# Altium PCB shepherd_pcb_v2.2.PcbDoc (part 3 of 3) (continued)
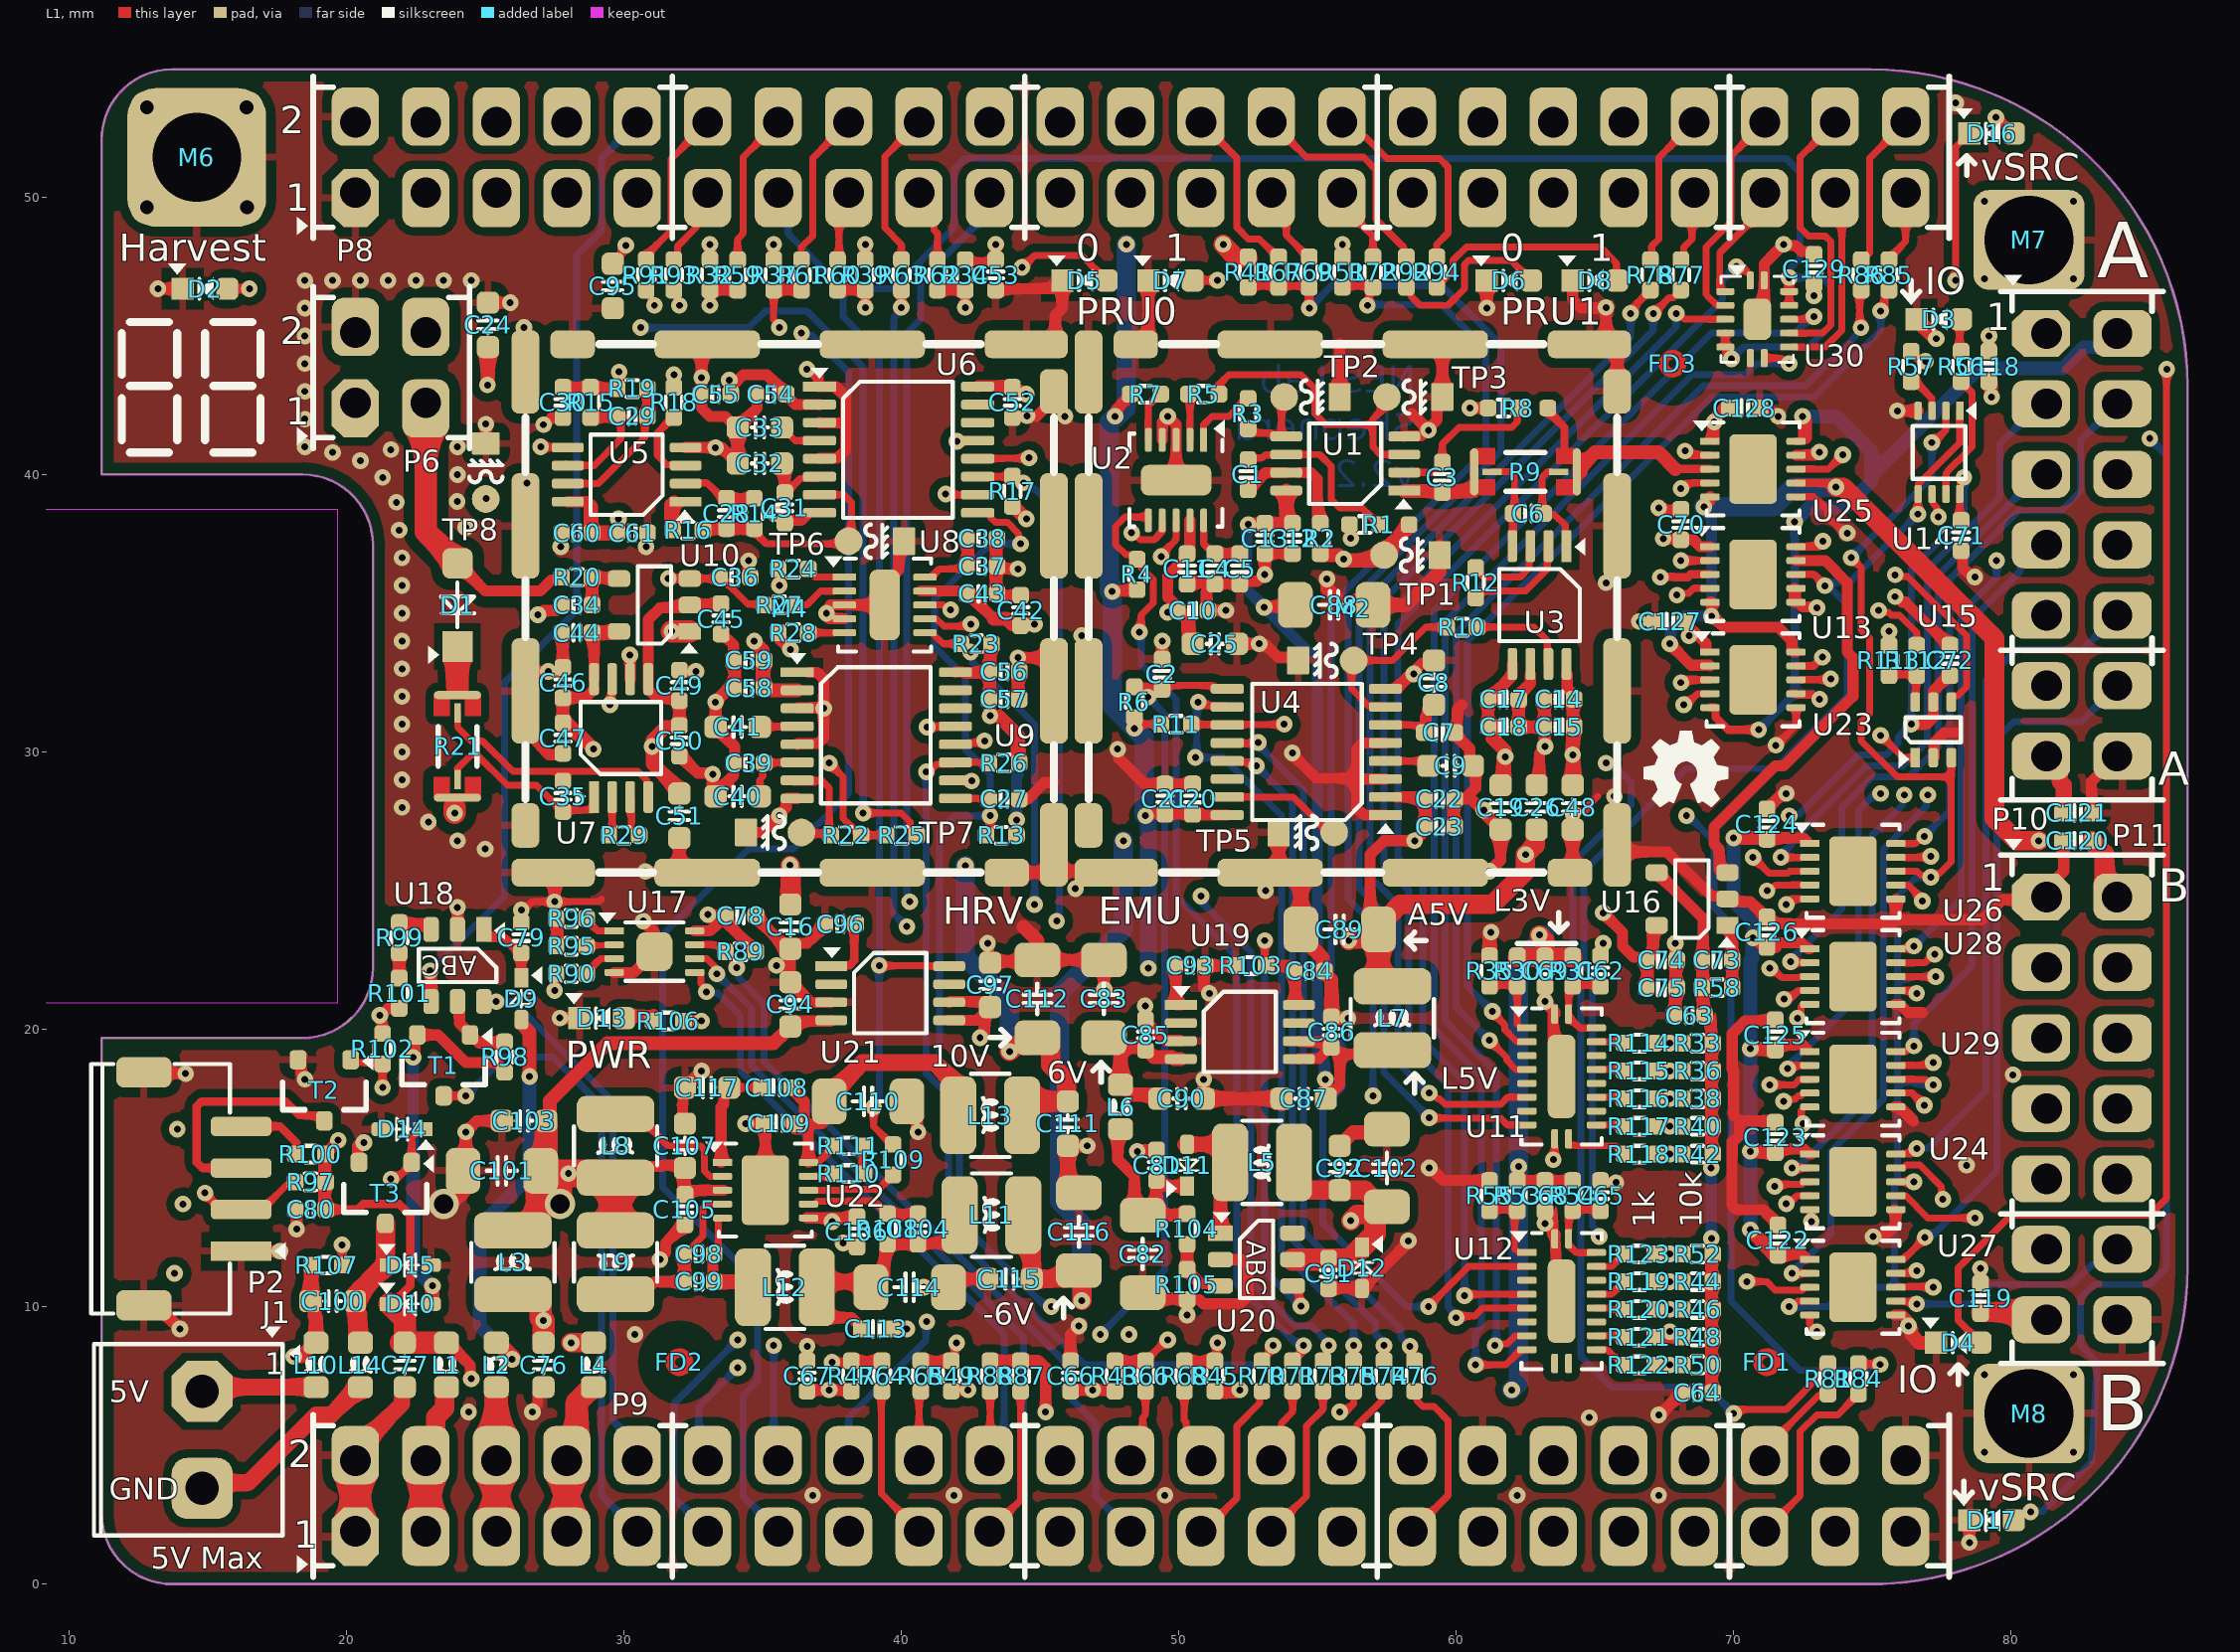
[diagram p0: L1 view]
## Nets (pads, with @x,y where several pads share a name; then routed paths per layer and width w, separated by ;. In a path a pad name is that pad's centre, name@x,y a point inside that pad or via, vN(x,y) a via of type N, cw(c..) or ccw(c..) an arc to the next point about the centre after c; other vN are vias at no path point) (continued)
SA_GPIO2: R37.1 R61.2 R77.1 U11.7 | length 73.1
  L1 w0.25: R37.1@35.4,46.7 35.4,45.595 35.6,45.395 v1(35.6,45.3) ; v1(59.025,17.7) 59.12,17.7 59.324,17.496 59.404,17.496 59.6,17.3 61.6,17.3 61.85,17.55 U11.7@62.55,17.55 ; v1(67.1,45.8) 67.686,46.386 67.822,46.386 68.086,46.65 R77.1@68.1,46.65
  L1 w0.4: R37.1@35.4,46.7 R61.2@36.4,46.7
  L3 w0.25: v1(35.6,45.3) 36,45.7 36.8,45.7 37.5,45 66.3,45 v1(67.1,45.8)
  L4 w0.25: v1(59.025,17.7) 59,17.7 57.9,18.8 57.9,24.5 56.9,25.5 56.9,35 67.1,45.2 v1(67.1,45.8)
SA_GPIO3: R39.1 R60.1 R78.1 U11.9 | length 68.7
  L1 w0.25: v1(38.7,46.025) R39.1@38.7,46.7 ; v1(59.025,16.813) 59.038,16.8 61.6,16.8 61.85,16.55 U11.9@62.55,16.55 ; v1(66.287,45.813) 66.354,45.88 66.354,46.004 R78.1@67.007,46.657
  L1 w0.4: R60.1@37.7,46.7 R39.1@38.7,46.7
  L3 w0.25: v1(38.7,46.025) 38.7,46 39.3,45.4 65.779,45.4 66.192,45.813 v1(66.287,45.813) 66.315,45.841 v1@66.381,45.841
  L4 w0.25: v1(59.025,16.813) 57.4,18.438 57.4,24.2 56.5,25.1 56.5,35.169 66.287,44.955 v1(66.287,45.813)
SA_GPIO4: R41.1 R67.2 R69.1 U11.10 | length 49.2
  L1 w0.25: R41.1@52.5,46.8 53.6,46.8 54.7,46.8 v1(54.7,46) ; v1(63.5,15.3) 63.55,15.35 U11.10@63.55,16.05 U11.10@63.55,16.1
  L3 w0.25: v1(57,17.6) 57,17.505 58.405,16.1 62.7,16.1 v1(63.5,15.3)
  L4 w0.25: v1(54.7,46) 55.5,46.8 59.5,46.8 61.6,44.7 61.6,40.834 56.1,35.334 56.1,24.7 57,23.8 v1(57,17.6)
SA_SWD_CLK: R47.1 R64.1 U12.8 U30.8 | length 72.8
  L1 w0.25: v1(37.5,8) R47.1@38.2,8 ; v1(61.4,8.6) 61.467,8.667 61.837,8.667 62.12,8.95 U12.8@62.55,8.95 ; U30.8@71.1,44.2 71.705,44.2 71.905,44 v1(72,44)
  L1 w0.4: R47.1@38.2,8 R64.1@39.3,8
  L3 w0.25: v1(37.5,8) 40.4,8 41.7,9.3 42.2,9.3 43.375,8.125 51.925,8.125 53,9.2 58.7,9.2 59.3,8.6 v1(61.4,8.6)
  L4 w0.25: v1(61.4,8.6) 61.454,8.654 61.454,18.446 59.6,20.3 59.6,34.7 68.5,43.6 70.4,43.6 70.8,44 v1(72,44)
SA_SWD_IO: R49.1 R65.2 U12.9 U30.11 | length 70.2
  L1 w0.25: R49.1@41.8,8 41.926,8.126 41.926,8.626 v1(41.993,8.693) ; v1(60.7,7.9) 61.788,7.9 62.25,8.362 62.25,8.375 62.325,8.45 U12.9@62.6,8.45 ; U30.11@72,45.6 72.705,45.6 72.805,45.7 v1(72.9,45.7)
  L1 w0.4: R65.2@40.7,8 R49.1@41.8,8
  L3 w0.25: v1(41.993,8.693) 42.987,7.7 52.466,7.7 52.666,7.9 v1(60.7,7.9)
  L4 w0.25: v1(60.7,7.9) 60.7,9.087 60.9,9.287 60.9,18.3 59.2,20 59.2,35.1 69.2,45.1 72.205,45.1 72.805,45.7 v1(72.9,45.7)
SA_UARX: R45.1 R68.2 U12.6 U30.4 | length 58
  L1 w0.25: R45.1@51.35,8.1 51.35,8.65 v1(51.4,8.7) ; v1(60,9.6) 60.067,9.667 60.667,9.667 60.95,9.95 U12.6@62.6,9.95 ; v1(67.929,45.811) 68.024,45.811 68.161,45.673 68.225,45.609 cw(c68,44) 68.284,45.6 U30.4@69.7,45.6
  L1 w0.4: R68.2@50.2,8 R45.1@51.3,8
  L3 w0.25: v1(51.4,8.7) 53.3,10.6 59.4,10.6 59.579,10.421 59.579,10.115 60,9.695 v1(60,9.6)
  L4 w0.25: v1(60,9.6) 60,9.695 59.7,9.995 59.7,18 58.3,19.4 58.3,25 57.4,25.9 57.4,34.8 67.929,45.329 v1(67.929,45.811)
SA_UATX: R43.1 R66.2 U12.5 U30.1 | length 60.3
  L1 w0.25: R66.2@48.8,7.9 48.8,8.036 49.564,8.8 v1(49.6,8.8) ; v1(60.3,10.4) 60.35,10.45 U12.5@62.55,10.45 ; v1(70.1,47.5) 70.167,47.433 70.367,47.433 U30.1@70.6,47.2
  L1 w0.4: R43.1@47.7,8 R66.2@48.8,8
  L3 w0.25: v1(49.6,8.8) 49.633,8.767 50.567,8.767 52.8,11 59.769,11 60.3,10.469 v1(60.3,10.4)
  L4 w0.25: v1(60.3,10.4) 60.3,18.1 58.8,19.6 58.8,25.3 57.9,26.2 57.9,34.6 69.6,46.3 69.6,47 v1(70.1,47.5)
SB_BAT_OK_6: R123.1 U12.18 | length 1.2
  L1 w0.25: U12.18@65.05,11.45 65.6,11.45 R123.1@66.05,11.9
SB_GPIO0_6: R114.1 U11.18 | length 1
  L1 w0.25: U11.18@65.05,19.55 66,19.55 R114.1@66.05,19.5
SB_GPIO1_6: R115.1 U11.16 | length 1
  L1 w0.25: U11.16@65.05,18.55 66,18.55 R115.1@66.05,18.5
SB_GPIO2_6: R116.1 U11.14 | length 1
  L1 w0.25: U11.14@65.05,17.55 66,17.55 R116.1@66.05,17.5
SB_GPIO3_6: R117.1 U11.12 | length 1
  L1 w0.25: U11.12@65.05,16.55 66,16.55 R117.1@66.05,16.5
SB_GPIO4_6: R118.1 U11.11 | length 2.4
  L1 w0.25: U11.11@64.05,16.05 64.05,15.825 64.275,15.825 64.3,15.8 65.736,15.8 66.036,15.5 R118.1@66.05,15.5
SB_SWD_CLK_6: R121.1 U12.13 | length 1
  L1 w0.25: U12.13@65.05,8.95 66,8.95 R121.1@66.05,8.9
SB_SWD_IO_6: R122.1 U12.12 | length 1.2
  L1 w0.25: U12.12@65.05,8.45 65.45,8.45 65.7,8.2 65.736,8.2 66.036,7.9 R122.1@66.05,7.9
SB_UARX_6: R120.1 U12.15 | length 1
  L1 w0.25: U12.15@65.05,9.95 65.55,9.95 65.6,9.9 R120.1@66.05,9.9
SB_UATX_6: R119.1 U12.16 | length 1.2
  L1 w0.25: U12.16@65.05,10.45 65.6,10.45 R119.1@66.05,10.9
SCK: R76.2 U2.7 U4.12 U6.12 U8.7 U9.12 | length 60.6
  L1 w0.25: U8.7@40.85,34.8 41.258,34.8 41.531,34.527 42.324,34.527 42.41,34.614 v1(42.505,34.614) ; U9.12@41.95,30.275 42,30.325 42.83,30.325 42.905,30.4 v1(43,30.4) ; U6.12@42.75,40.575 42.763,40.587 44.587,40.587 v1(44.6,40.6) ; v1(48.3,37.9) 48.371,37.9 48.621,37.65 49.115,37.65 49.4,37.935 U2.7@49.4,38.35 ; U4.12@51.75,30.325 51.775,30.3 52.825,30.3 v1(52.862,30.338) ; v1(58.333,8.567) 58.4,8.5 58.4,8 R76.2@58.5,7.9
  L3 w0.25: v1@42.5,34.6 42.505,34.605 42.505,36.823 42.283,37.046 42.283,39.183 43.7,40.6 v1(44.6,40.6) 45.6,40.6 v1(48.3,37.9) ; v1(42.505,34.614) 42.476,34.614 41.925,34.063 41.925,31.275 42.329,30.871 42.516,30.871 42.987,30.4 v1(43,30.4) 43,30.305 43.421,29.885 43.421,29.779 43.7,29.5 49.462,29.5 50.337,30.375 52.825,30.375 v1(52.862,30.338)
  L4 w0.25: v1(52.862,30.338) 52.862,30.251 54.5,28.613 54.5,12.7 58,9.2 58,8.9 v1(58.333,8.567)
T1_BAT_OK_7: P10.8 U29.2 | length 26.2
  L1 w0.25: v1(71.946,18.578) 72.041,18.578 72.163,18.7 U29.2@72.8,18.7
  L3 w0.25: v1(75.3,28.5) 78.1,31.3 78.1,34.1 80.1,36.1 82.452,36.1 P10.8@83.82,37.468
  L4 w0.25: v1(71.946,18.578) 71.946,18.646 74.5,21.2 74.5,27.9 75.033,28.433 75.233,28.433 v1(75.3,28.5)
T1_GPIO0_7: P10.3 U26.2 | length 22.8
  L1 w0.25: v1(71.7,26.2) v1@71.7,26.3 ; v1@71.7,26.3 71.8,26.2 U26.2@72.8,26.2
  L3 w0.25: P10.3@80.5,42.3 P10.3@80.8,42.3
  L4 w0.25: v1(71.7,26.2) 71.7,26.287 72.133,26.721 72.133,26.833 74.8,29.5 76.1,29.5 76.975,30.375 76.975,36.575 79.6,39.2 79.6,41.106 81.042,42.548 P10.3@81.28,42.548
T1_GPIO1_7: P10.4 U26.10 | length 20.7
  L1 w0.25: U26.10@75.8,26.7 76.571,26.7 76.821,26.95 v1(76.879,26.95)
  L3 w0.25: P10.4@83.82,42.548 P10.4@83.948,42.548
  L4 w0.25: v1(76.879,26.95) 76.879,26.967 77.779,27.867 77.779,36.214 80.266,38.7 81.812,38.7 82.5,39.388 82.5,41.228 P10.4@83.82,42.548
T1_GPIO2_7: P10.5 U28.2 | length 23.1
  L1 w0.25: v1(72.052,22.434) 72.086,22.4 U28.2@72.8,22.4
  L4 w0.25: v1(72.052,22.434) 72.052,22.492 73.9,24.341 73.9,28 75,29.1 76.3,29.1 77.375,30.175 77.375,36.375 81.008,40.008 P10.5@81.28,40.008
T1_GPIO3_7: P10.6 U28.10 | length 22.2
  L1 w0.25: U28.10@75.8,22.9 76.4,22.9 v1(76.5,23)
  L3 w0.25: v1(79.477,36.9) 79.477,38.077 80.1,38.7 82.1,38.7 82.959,39.559 83.371,39.559 P10.6@83.82,40.008
  L4 w0.25: v1(76.5,23) 78.2,24.7 78.2,35 79.477,36.277 v1(79.477,36.9)
T1_GPIO4_7: P10.7 U29.10 | length 20.9
  L1 w0.25: U29.10@75.85,19.2 76.205,19.2 76.405,19.4 v1(76.5,19.4)
  L4 w0.25: v1(76.5,19.4) 76.5,20.2 78.6,22.3 78.6,34.788 80.34,36.528 80.34,36.766 81.042,37.468 P10.7@81.28,37.468
T1_SWD_CLK_7: P10.11 U27.2 | length 27.3
  L1 w0.25: v1(72.1,11.2) U27.2@72.8,11.2
  L3 w0.25: v1(77,28.45) 79.1,30.55 79.1,32.4 79.5,32.8 80.868,32.8 P10.11@81.28,32.388
  L4 w0.25: v1(72.1,11.2) 72.1,11.225 73.5,12.625 73.5,15.6 75.4,17.5 75.4,26.5 76.948,28.048 76.948,28.398 v1(77,28.45)
T1_SWD_IO_7: P10.12 U27.10 | length 25.7
  L1 w0.25: U27.10@75.8,11.7 76.12,11.7 76.9,12.48 v1(76.9,12.5)
  L4 w0.25: v1(76.9,12.5) 76.967,12.567 77.167,12.567 79.496,14.896 79.496,30.496 80.1,31.1 82.532,31.1 P10.12@83.82,32.388
T1_UARX_7: P10.10 U24.10 | length 24.7
  L1 w0.25: U24.10@75.8,15.5 75.806,15.506 76.406,15.506 v1(76.6,15.7)
  L4 w0.25: v1(76.6,15.7) 76.627,15.727 77.027,15.727 79.096,17.796 79.096,32.596 80.2,33.7 82.592,33.7 P10.10@83.82,34.928
T1_UATX_7: P10.9 U24.2 | length 25.4
  L1 w0.25: v1@72.076,15.024 v1(72.1,15) U24.2@72.8,15
  L3 w0.25: v1(76.153,28.45) 78.6,30.897 78.6,33.6 79.901,34.901 81.253,34.901 P10.9@81.28,34.928
  L4 w0.25: v1(72.1,15) 72.167,15.067 72.367,15.067 75,17.7 75,27 76.086,28.086 76.086,28.383 v1(76.153,28.45)
T2_BAT_OK_7: P11.8 U29.5 | length 13
  L1 w0.25: v1(72.5,16.6) 72.5,16.668 72.43,16.737 72.43,17.055 72.575,17.2 U29.5@72.8,17.2
  L3 w0.25: v1(72.5,16.6) 79.3,16.6 80,15.9 82.572,15.9 P11.8@83.82,17.148
T2_GPIO0_7: P11.3 U26.5 | length 11.7
  L1 w0.25: U26.5@72.8,24.7 72.044,24.7 71.961,24.617 71.961,24.6 71.9,24.539 v1(71.9,24.5) ; v1(71.9,24.5) v1@71.9,24.577 ; v1(71.9,24.5) v1@71.9,24.577 ; v1@71.9,24.577 v1@71.923,24.6 ; v1@71.9,24.577 v1@71.923,24.6 ; v1@71.923,24.6 v1@71.95,24.627 ; v1@71.923,24.6 v1@71.95,24.627 ; v1@71.95,24.627 71.961,24.639 v1@71.95,24.627
  L3 w0.25: v1(71.9,24.5) 71.955,24.5 72.404,24.05 76.75,24.05 78.272,22.528 80.98,22.528 P11.3@81.28,22.228
T2_GPIO1_7: P11.4 U26.7 | length 9.3
  L1 w0.25: U26.7@75.8,25.2 76.3,25.2 76.8,24.7 v1(76.8,24.625)
  L3 w0.25: v1(76.8,24.625) 76.808,24.633 77.067,24.633 78.2,23.5 82.548,23.5 P11.4@83.82,22.228
T2_GPIO2_7: P11.5 U28.5 | length 10.2
  L1 w0.25: v1(72.3,20.4) 72.425,20.525 72.425,20.817 72.508,20.9 U28.5@72.8,20.9
  L3 w0.25: v1(72.3,20.4) 79.6,20.4 79.9,20.1 80.868,20.1 P11.5@81.28,19.688
T2_GPIO3_7: P11.6 U28.7 | length 8.7
  L1 w0.25: U28.7@75.8,21.4 76.5,21.4 v1(76.6,21.3)
  L3 w0.25: v1(76.6,21.3) 76.621,21.3 76.921,21 82.508,21 P11.6@83.82,19.688
T2_GPIO4_7: P11.7 U29.7 | length 5.7
  L1 w0.25: U29.7@75.8,17.7 76.435,17.7 v1(76.873,17.262)
  L3 w0.25: v1(76.873,17.262) 81.166,17.262 P11.7@81.28,17.148
T2_SWD_CLK_7: P11.11 U27.5 | length 10.5
  L1 w0.25: U27.5@72.8,9.7 72.748,9.7 72.748,9.352 v1(73,9.1)
  L3 w0.25: v1(73,9.1) 73.027,9.127 73.427,9.127 76.2,11.9 77.923,11.9 78.423,12.4 80.948,12.4 P11.11@81.28,12.068
T2_SWD_IO_7: P11.12 U27.7 | length 8.9
  L1 w0.25: U27.7@75.8,10.2 76.5,10.2 v1(76.6,10.1)
  L4 w0.25: v1(76.6,10.1) 78.6,10.1 79.3,10.8 82.2,10.8 82.928,11.528 83.28,11.528 P11.12@83.82,12.068
T2_UARX_7: P11.10 U24.7 | length 8.9
  L1 w0.25: U24.7@75.8,14 76.206,14 77.006,13.2 v1(78.7,13.2)
  L3 w0.25: v1(78.7,13.2) 78.767,13.267 78.988,13.267 79.021,13.3 82.512,13.3 P11.10@83.82,14.608
T2_UATX_7: P11.9 U24.5 | length 9.5
  L1 w0.25: v1(72.8,13.075) U24.5@72.8,13.5
  L3 w0.25: v1(72.8,13.075) 73.625,13.9 76.713,13.9 77.313,14.5 81.172,14.5 P11.9@81.28,14.608
Target_IO_EN: P9.12 U13.8 U14.1 U14.5 | length 79.2
  L1 w0.25: U13.8@72.25,36.4 72.9,36.4 73.29,36.01 v1(73.29,35.99) ; v1(76.64,38.575) 76.645,38.58 76.645,39.295 76.66,39.31 76.66,39.66 78.15,41.15 U14.1@78.15,42.3
  L3 w0.25: v1(34.1,7.8) 34.033,7.867 33.733,7.867 33.3,8.3 33.3,9.1 35.925,11.725 49.01,11.725 49.085,11.8 64.626,11.8 v1@65.358,12.532
  L4 w0.25: P9.12@33.02,4.445 32.7,4.765 32.7,6.4 33.46,7.16 v1(34.1,7.8) ; v1@65.268,12.532 64.9,12.9 64.9,22 64.6,22.3 64.6,25.7 66.9,28 68.3,29.4 71.5,29.4 74.1,32 74.1,35.3 73.577,35.823 73.553,35.823 73.35,36.025 73.42,36.025 73.523,36.129 74.194,36.129 74.477,36.412 v1(76.64,38.575)
  other v1: 65.158,12.532
Target_IO_SEL: P9.11 U13.4 U14.2 U15.3 U24.4 U24.8 U26.4 U26.8 U27.4 U27.8 U28.4 U28.8 U29.4 U29.8 | length 139
  L1 w0.25: v1(67.958,35.658) 68.025,35.725 68.374,35.725 68.55,35.9 U13.4@69.15,35.9 ; v1(71.207,24.993) 71.301,24.993 71.508,25.2 U26.4@72.75,25.2 U26.4@72.8,25.2 ; v1(71.8,17.4) 71.867,17.467 72.19,17.467 72.323,17.6 72.425,17.6 72.525,17.7 U29.4@72.75,17.7 ; v1(71.813,21.087) 72.022,21.087 72.336,21.4 U28.4@72.8,21.4 ; v1(71.899,13.715) 71.994,13.715 72.278,14 U24.4@72.8,14 ; v1(72,10) 72.067,10.067 72.167,10.067 72.3,10.2 U27.4@72.75,10.2 U27.4@72.8,10.2 ; v1(74.232,37.001) 74.6,36.633 74.6,34.4 74.9,34.1 74.9,31.4 74.6,31.1 74.6,30.4 75.9,29.1 77.846,29.1 ; U27.8@75.8,10.7 75.825,10.725 77.175,10.725 v1(77.2,10.7) ; U24.8@75.8,14.5 v1(76.5,14.5) ; U29.8@75.8,18.2 U29.8@75.85,18.2 76.062,18.2 76.905,18.2 77.105,18 v1(77.2,18) ; U26.8@75.85,25.7 76.6,25.7 76.747,25.553 77.04,25.553 v1(77.107,25.486) 77.202,25.486 77.34,25.624 77.424,25.624 77.846,26.046 77.846,29.1 ; U28.8@75.9,21.9 v1(77.287,21.9) ; v1(77.145,41.155) 77.205,41.155 77.65,41.6 U14.2@77.65,42.3 ; U15.3@77.846,29.797 77.846,29.1
  L3 w0.25: v1(34.1,8.8) 34.167,8.867 34.167,9.167 36.325,11.325 49.176,11.325 49.251,11.4 60.2,11.4 63.118,8.482 70.482,8.482 v1(72,10) ; v1(67.958,35.658) 68.025,35.725 71.325,35.725 72.6,37 v1(74.232,37.001) ; v1(71.207,24.993) 71.207,25.007 71.4,25.2 76.727,25.2 77.012,25.486 v1(77.107,25.486) ; v1(71.8,17.4) 72.3,17.9 77.1,17.9 v1(77.2,18) ; v1(71.813,21.087) 75.487,21.087 76.3,21.9 v1(77.287,21.9) ; v1(71.899,13.715) 71.966,13.782 72.182,13.782 73,14.6 76.178,14.6 76.211,14.567 76.433,14.567 v1(76.5,14.5)
  L4 w0.25: P9.11@33.02,1.905 31.8,3.125 31.8,6.5 v1(34.1,8.8) ; v1(72,10) 73.4,10 74.1,10.7 75.8,10.7 ; v1(74.232,37.001) 77.145,39.913 v1(77.145,41.155) ; v1(76.5,14.5) 75.9,14.5 ; v1(77.107,25.486) 76.586,25.486 75.9,24.8 75.9,21.8 ; v1(77.2,10.7) 75.8,10.7 ; v1(77.2,18) 77.172,18.028 76.525,18.028 76.453,18.1 75.9,18.1 ; v1(77.287,21.9) 76.387,21.9 76.287,21.8 75.9,21.8 ; 75.8,10.7 75.8,14.5 75.9,14.5 ; 75.9,14.5 75.9,18.1 ; 75.9,18.1 75.9,21.8
Target_Pwr_SEL: P9.13 U15.1 U23.4 U23.8 U25.4 U25.8 | length 120.8
  L1 w0.25: v1(68.2,31.7) 68.295,31.7 68.695,32.1 U23.4@69.15,32.1 ; v1@68.3,39.7 U25.4@69.15,39.7 ; U23.8@72.25,32.6 73.467,32.6 v1(73.5,32.633) ; U25.8@72.25,40.2 73.421,40.2 v1(73.935,40.715) ; v1(75.3,30.6) 76.103,29.797 U15.1@76.546,29.797
  L3 w0.25: v1(36.4,45.1) 36.9,44.6 66.5,44.6 68.2,42.9 72.6,42.9 73.935,41.565 v1(73.935,40.715) 73.92,40.715 73.63,40.425 73.625,40.425 72.9,39.7 68.521,39.7 68.388,39.567 68.167,39.567 v1(68.1,39.5) ; v1@68.274,31.679 68.47,31.875 68.475,31.875 69.233,32.633 v1(73.5,32.633) ; v1@73.542,32.675 73.867,33 74.6,33 ; v1@73.868,40.668 73.85,40.65 74.952,39.548 74.952,36.902 74.5,36.45 74.5,34.7 74.746,34.454 74.746,33.146 74.6,33 ; v1(75.3,30.6) 75.3,32.3 74.6,33
  L4 w0.25: P9.13@35.56,1.905 34.3,3.165 34.3,6.8 34.825,7.325 34.825,10.875 31.4,14.3 31.4,23.4 34.5,26.5 36.1,26.5 38.1,28.5 38.1,43.7 36.767,45.033 36.467,45.033 v1(36.4,45.1)
V_A_5_N: C1.2 R1.2 U1.6 | length 6.5
  L1 w0.25: C1.2@52.5,40.6 53,40.6 53.1,40.7 U1.6@53.875,40.7 ; U1.6@53.875,40.725 55.075,40.725 55.5,40.3 55.5,39.1 55.8,38.8 56.6,38.8 57.04,38.36 57.077,38.36 57.2,38.236 R1.2@57.2,38.2
V_A_DAC_5: R3.2 TP2.1 U1.5 | length 2.8
  L1 w0.25: R3.2@52.5,41.5 53.35,41.5 53.475,41.375 U1.5@53.875,41.375 ; U1.5@53.7,41.44 TP2.1@53.7,42.7 ; TP2.1@53.7,42.9 TP2.1@53.8,43
V_A_OP_5: C1.1 R2.1 U1.7 | length 4
  L1 w0.4: C1.1@52.6,39.55 53.125,40.075 U1.7@53.875,40.075 ; U1.7@54.309,40.075 54.311,40.072 54.766,40.072 55,39.838 55,38.3 R2.1@55.1,38.2
V_B_5_N: C3.2 R8.2 U1.2 | length 5.7
  L1 w0.25: U1.2@58.125,40.075 59.175,40.075 59.5,40.4 59.5,41.1 60.1,41.7 62,41.7 62.2,41.9 R8.2@62.2,42.4
V_B_DAC_5: R5.2 TP3.1 U1.3 | length 10.8
  L1 w0.25: R5.2@51.4,42.8 51.4,43.2 51.8,43.6 54.4,43.6 54.9,43.1 54.9,42.2 55.3,41.8 57,41.8 ; TP3.1@57.8,42.8 57,42 57,41.8 ; U1.3@58.125,40.725 57.275,40.725 57,41 57,41.8
V_eCurrentSense_5: R10.2 TP4.1 U4.7 | length 6.7
  L1 w0.25: TP4.1@56.228,33.007 56.228,32.272 56.825,31.675 57.4,31.675 U4.7@57.45,31.625 ; TP4.1@56.256,33.207 56.256,33.556 TP4.1@56.4,33.7 ; TP4.1@56.3,33.3 57.7,33.3 58.9,34.5 R10.2@59.7,34.5
V_eInAmp_5: R10.1 U3.7 | length 3.6
  L1 w0.25: R10.1@60.7,34.5 62.8,34.5 63.275,34.025 63.275,33.225 U3.7@63.325,33.175
V_eSH_5_N: C6.2 R9.3 U3.1 | length 3.7
  L1 w0.25: R9.3@63.475,40.1 63.3,40.1 63.1,39.9 63.1,38.6 63.129,38.571 63.529,38.571 63.935,38.165 63.935,37.323 U3.1@63.975,37.283
V_eSH_5_P: C6.1 R9.4 U3.4 | length 3.4
  L1 w0.25: R9.4@61.3,40.1 61.954,40.1 62.1,39.954 62.1,39.538 62.1,38.6 62.1,38.5 62.052,38.452 62.052,37.452 U3.4@62.025,37.425
V_FbA: R1.1 U23.9 | length 20.6
  L1 w0.3: v1(56.2,37.7) R1.1@56.2,38.199 ; U23.9@72.25,33.1 72.886,33.1 v1(73.2,33.414)
  L3 w0.3: v1(56.2,37.7) 61.6,37.7 66.2,33.1 72.874,33.1 73.189,33.414 v1(73.2,33.414)
V_FbB: R8.1 U25.9 | length 15.3
  L1 w0.4: v1(60.5,42.4) R8.1@61.15,42.4 R8.1@61.2,42.4 ; U25.9@72.25,40.7 72.926,40.7 73.039,40.814 v1(73.093,40.814)
  L3 w0.4: v1(60.5,42.4) 62.7,40.2 72.48,40.2 v1(73.093,40.814)
V_HARVEST_4: D1.2 P6.3 R20.2 | length 10.3
  L1 w0.4: D1.2@24.2,36.6 25,35.8 26.99,35.8 27.39,36.2 27.65,36.2 R20.2@27.75,36.3
  L1 w0.8: P6.3@22.86,42.584 22.86,37.94 D1.2@24,36.8
V_IO: U13.9 U16.3 | length 15.2
  L1 w0.4: U16.3@69.675,25.65 69.575,25.65 69.475,25.75 69.475,26.506 69.3,26.681 69.3,27.3 71.5,29.5 71.8,29.5 74.3,32 74.3,33.4 74.1,33.6 74.1,36.1 73.3,36.9 U13.9@72.25,36.9
V_IO_Buf: C63.2 C64.2 C73.2 R33.2 R36.2 R38.2 R40.2 R42.2 R44.2 R46.2 R48.2 R50.2 R52.2 R58.2 U16.4 | length 19.7
  L1 w0.4: U16.4@67.125,25.65 U16.4@67.225,25.65 67.325,25.65 67.425,25.55 67.425,25.475 68.9,24 68.9,22.55 68.9,21.5 C63.2@68.9,20.5 ; C63.2@68.95,20.5 69.2,20.25 69.2,15.5 69.222,15.478 69.222,15.035 v1(69.193,15.007) ; v1(69.197,12.457) 69.199,12.455 69.199,11.901 69.2,11.9 69.2,9.9 C64.2@69.2,6.9
  L4 w0.4: v1@69.193,12.455 v1(69.193,15.007)
V_RailA: R1.3 R2.2 TP1.1 U23.3 | length 18.9
  L1 w0.3: v1(68.1,32.5) 68.181,32.5 68.281,32.6 U23.3@69.15,32.6
  L1 w0.5: R2.2@55.1,37.15 55.15,37.1 55.773,37.1 55.918,36.955 v1(55.945,36.955) ; v1@56,36.905 57.07,36.905 57.265,37.1 TP1.1@57.4,37.1 57.4,37.235 58.2,38.035 R1.3@58.2,38.2
  L3 w0.5: v1(55.945,36.955) 61.345,36.955 65.8,32.5 v1(68.1,32.5)
V_RailB: R8.3 R9.2 U25.3 | length 7.3
  L1 w0.3: R8.3@63.2,42.4 63.9,41.7 63.9,40.8 ; R9.2@64.35,40.1 64.5,40.1 ; 67.9,40.2 U25.3@69.15,40.2
  L1 w0.5: 64.5,40.1 64.5,40.3 65,40.8 67.3,40.8 67.9,40.2
V_rCurrentSense_4: R22.2 TP7.1 U9.7 | length 5.1
  L1 w0.25: TP7.1@36.4,27.1 36.45,27.05 R22.2@37.45,27.05 ; 36.9,28.9 36.1,28.9 36.175,28.975 U9.7@36.25,28.975 37.125,28.975 37.4,28.7 37.4,27.1 R22.2@37.45,27.05 ; R22.2@37.5,27 R22.2@37.45,27.05
V_rHARV_4_N: R27.1 U8.2 | length 2.1
  L1 w0.25: R27.1@36.1,35.3 36.6,35.3 37.1,35.8 U8.2@37.95,35.8
V_rSH_4_N: C35.1 R21.3 U7.1 | length 6.6
  L1 w0.24: R21.3@24,29.2 24,29.4
  L1 w0.25: 24,29.4 24.496,29.896 24.704,29.896 25.8,28.8 26.85,28.8 C35.1@27.8,27.85 ; C35.1@27.8,27.9 28.85,27.9 28.925,27.975 U7.1@28.925,28.375
V_rSH_4_P: C35.2 R21.4 U7.4 | length 9.1
  L1 w0.24: R21.4@24,31.4 24,30.9 24.5,30.4 ; C35.2@27.8,28.9 C35.2@27.8,28.95 27.8,29.3
  L1 w0.25: 24.5,30.4 24.9,30.4 26,29.3 27.8,29.3 30.5,29.3 30.825,28.975 30.825,28.425 U7.4@30.875,28.375
V_rSim_4: R24.1 U8.1 | length 1.5
  L1 w0.25: R24.1@36.6,36.6 36.9,36.3 U8.1@37.95,36.3
V_Sense_4: P6.4 R18.1 | length 10.1
  L1 w0.4: R18.1@31.8,43.1 v1(31.8,43.6)
  L3 w0.25: P6.4@22.86,45.124 22.995,45.124 23.583,44.536 23.595,44.536 23.631,44.5 30.9,44.5 v1(31.8,43.6)
V_SenseBuf_4: C28.2 R14.2 R16.2 TP6.1 U6.7 | length 8.3
  L1 w0.25: R16.2@32.85,38 R16.2@32.9,38.05 ; R14.2@34.661,37.975 34.761,37.975 34.86,37.877 34.86,37.777 35.136,37.5 38,37.5 TP6.1@38.1,37.6 38.2,37.7 38.2,39 37.925,39.275 U6.7@37.05,39.275
  L1 w0.4: R16.2@32.9,38.05 C28.2@33.7,38.05 R14.2@34.7,38.05
V_SimBuf_4: C30.1 P6.1 R15.2 R19.2 | length 12.5
  L1 w0.25: R19.2@29.8,43.1 29.813,43.112 29.813,43.688 v1(29.825,43.7)
  L1 w0.4: C30.1@27.9,43.1 28.9,43.1 R19.2@29.7,43.1
  L3 w0.25: P6.1@20.32,42.584 21.636,43.9 29.53,43.9 29.73,43.7 v1@29.83,43.7
V_T1: C118.2 P10.2 U13.2 U23.5 U23.7 U25.2 U25.10 | length 45.8
  L1 w0.3: v1(68.1,36.9) U13.2@69.15,36.9 ; v1@68.254,40.854 68.33,40.854 68.484,40.7 U25.2@69.15,40.7 ; U23.5@69.15,31.6 69.325,31.6 69.35,31.575 69.35,31.25 69.8,30.8 v1(70.9,30.8) ; U23.7@72.1,32.1 U23.7@72.25,32.1 72.275,32.075 72.844,32.075 73.019,31.9 v1(73.1,31.9) ; U25.10@72.25,41.2 72.425,41.2 72.566,41.341 ; v1(72.485,42.102) 72.485,42.021 v1@72.566,41.94
  L1 w0.4: P10.2@83.5,45.408 P10.2@83.82,45.088
  L1 w0.5: 72.566,41.341 v1@72.566,41.94 ; C118.2@79.2,43.4 79.281,43.319 79.281,42.819 v1(79.3,42.8)
  L3 w0.3: v1(68.249,40.854) 71.854,40.854 72.485,41.485 v1(72.485,42.102)
  L3 w0.4: v1(68.1,36.9) 70.8,36.9 v1(72.2,38.3)
  L4 w0.3: v1(70.9,30.8) 72.2,32.1 ; 72.2,34.508 72.2,32.1 ; 72.2,34.6 v1(72.2,38.3) ; v1(73.1,31.9) 73.019,31.9 72.819,32.1 72.2,32.1
  L4 w0.5: v1(72.2,38.3) 72.7,38.8 74,38.8 74.95,39.75 74.95,39.95 ; v1@72.531,42.1 73.7,42.1 74.95,40.85 74.95,39.95 ; v1(79.3,42.8) 79.281,42.819 79.281,43.343 79.2,43.424 79.2,43.838 ; P10.2@83.82,45.088 83.328,44.596 82.629,44.596 81.871,43.838 79.2,43.838 ; 74.95,39.95 78.838,43.838 79.2,43.838
V_T2: C120.2 P11.2 U13.5 U23.2 U23.10 U25.5 U25.7 | length 41.9
  L1 w0.3: U25.7@72.25,39.7 73.458,39.7 73.608,39.55 v1(73.689,39.55)
  L1 w0.4: v1(67.7,33.9) 68.475,33.125 69.125,33.125 U23.2@69.15,33.1 ; v1(68.93,38.835) 69.15,39.055 U25.5@69.15,39.2 ; U13.5@69.15,35.4 69.2,35.4 69.3,35.3 69.2,35.2 v1(69.2,34.9) 69.254,34.9 69.654,34.5 71.6,34.5 72.1,34 72.1,33.675 72.175,33.6 U23.10@72.25,33.6
  L1 w0.7: v1(73.689,39.55) 73.95,39.55 79.4,34.1 79.4,27.6 80.2,26.8 v1(81,26.8) ; C120.2@82.9,26.8 83.366,26.334 83.366,25.222 P11.2@83.82,24.768
  L3 w0.7: v1(81,26.8) 81.788,26.8 P11.2@83.82,24.768
  L4 w0.4: v1(67.7,33.9) 67.738,33.938 67.738,34.449 68.19,34.9 v1(69.2,34.9) 69.2,38.424 69.03,38.594 69.03,38.681 68.93,38.781 v1(68.93,38.835)
  L4 w0.7: v1(68.93,38.835) 71.435,38.835 72.15,39.55 v1(73.689,39.55)
VREF_eDAC_5: C4.1 C5.2 U2.10 | length 2.3
  L1 w0.25: U2.10@50.9,38.35 50.9,37.5 C4.1@51.3,37.1
  L1 w0.4: C4.1@51.3,37.1 C5.2@52.2,37.1
WD_ACK: P8.10 U18.4 | length 34.6
  L1 w0.25: v1(23.006,22.111) v1@23.05,22.066
  L1 w0.4: U18.4@23.05,21 v1@23.05,22.066
  L4 w0.25: v1@23.154,22.254 25.7,24.8 25.7,32.5 28.3,35.1 28.3,47.9 29.2,48.8 29.2,51.425 P8.10@30.48,52.705
WD_Wake_8: R98.2 T1.1 U18.5 | length 2.8
  L1 w0.4: U18.5@24,21 24.075,20.925 24.075,20.225 24.45,19.85 T1.1@24.45,19.8 24.45,19.75 24.55,19.65 24.634,19.65 24.784,19.5 R98.2@25.7,19.5
pads on no net: P8.3 P8.4 P8.5 P8.6 P8.7 P8.8 P8.9 P8.20 P8.21 P8.22 P8.23 P8.24 P8.25 P8.31 P8.32 P8.33 P8.34 P8.35 P8.36 P8.37 P8.38 P9.15 P9.21 P9.22 P9.32 P9.33 P9.35 P9.36 P9.37 P9.38 P9.39 P9.40 U4.14 U6.14 U6.15 U9.14 U9.15 U11.4 U11.6 U11.8 U11.13 U11.15 U11.17 U12.4 U12.7 U12.10 U12.11 U12.14 U12.17 U13.11 U19.2 U19.7 U20.6 U21.2 U21.7 U23.11 U24.11 U25.11 U26.11 U27.11 U28.11 U29.11

## Polygon pours and split planes (outlines as drawn)
GND on L3 "GND_L03_P004" (solid, remove dead copper, pour order 4): 86.36,54.61 11.176,54.61 11.176,0 86.36,0
A5V on L3 "A5V_L03_P002" (solid, remove dead copper, pour order 2): 71.8,44.6 20.955,44.6 20.955,22.4 71.8,22.4
no net on Bottom Solder "NONET_L-01_P-001" (solid): 50,44.259 50,39.15 58.6,39.15 58.6,44.259
GND on L2P "GND_L02_P001" (solid, remove dead copper, pour order 1): 86.384,54.61 11.2,54.61 11.2,0 86.384,0
GND on L4 "GND_L04_P003" (solid, remove dead copper, pour order 3): 86.36,54.61 11.176,54.61 11.176,0 86.36,0
GND on L1 "GND_L01_P000" (solid, remove dead copper, pour order 0): 86.36,54.61 11.176,54.61 11.176,0 86.36,0

## Keep-outs
Keep-Out Layer:
  region: 0,38.735 0,20.955 19.685,20.955 19.685,38.735
  lines w0.1: 11.176,2.54 ccw(c13.716,2.54) 13.716,0 74.93,0 ccw(c74.93,11.43) 86.36,11.43 86.36,43.18 ccw(c74.93,43.18) 74.93,54.61 13.716,54.61 ccw(c13.716,52.07) 11.176,52.07 11.176,40.005 18.415,40.005 cw(c18.415,37.465) 20.955,37.465 20.955,22.225 cw(c18.415,22.225) 18.415,19.685 11.176,19.685 11.176,2.54

## Other copper
L3:
  text "A5V" at 63.199,43.119 h1.8
L4:
  text "NES Lab / Shepherd / v2.2" at 58.55,39.2 h1.7

## Silkscreen, mask and mechanical layers (free items; w line width, h text height)
Top Overlay:
  drawing of 46 lines, arcs and shapes, not listed
  text "2" at 17.6,52.3 h1
  text "vSRC" at 78.9,50.6 h1
  text "1" at 17.8,49.5 h1
  text "Harvest" at 11.8,47.7 h1
  text "0" at 46.3,47.7 h1
  text "1" at 49.5,47.7 h1
  text "0" at 61.6,47.7 h1
  text "1" at 64.8,47.7 h1
  text "A" at 83.1,47.1 h2
  text "IO" at 76.9,46.5 h1
  text "PRU0" at 46.3,45.4 h1
  text "PRU1" at 61.6,45.4 h1
  text "1" at 79.1,45.2 h1
  text "2" at 17.6,44.7 h1
  text "1" at 17.8,41.8 h1
  text "A" at 85.3,28.8 h1.2
  text "1" at 78.9,25 h1
  text "B" at 85.3,24.6 h1.2
  text "L3V" at 61.35,24.25 h0.8
  text "HRV" at 41.5,23.8 h1
  text "EMU" at 47.1,23.8 h1
  text "A5V" at 58.25,23.75 h0.8
  text "10V" at 41.05,18.65 h0.8
  text "PWR" at 27.9,18.6 h1
  text "6V" at 45.25,18.05 h0.8
  text "L5V" at 59.45,17.85 h0.8
  text "1k" at 67.15,12.85 h0.8 r90
  text "10k" at 68.85,12.85 h0.8 r90
  text "-6V" at 42.95,9.35 h0.8
  text "1" at 17.05,7.55 h0.8
  text "IO" at 75.9,6.9 h1
  text "5V" at 11.45,6.55 h0.8
  text "B" at 83.059,5.538 h2
  text "2" at 17.9,4.2 h1
  text "GND" at 11.45,3.05 h0.8
  text "vSRC" at 78.8,3 h1
  text "1" at 18.1,1.3 h1
  text "5V Max" at 12.95,0.55 h0.8
Bottom Overlay:
  drawing of 169 lines, arcs and shapes, not listed
  text "EN" at 35,46.4 h1 r270
  text "GND" at 18.2,44.4 h1
  text "VSense" at 30.5,44.4 h1
  text "VSim" at 18.2,42.5 h1
  text "VHarv" at 29.5,42.5 h1
  text "O" at 23.7,27.45 h3.2
  text "O" at 23.7,24.75 h3.2
  text "O" at 23.7,22.05 h3.2
  text "O" at 23.7,19.35 h3.2
  text "O" at 23.7,16.65 h3.2
  text "O" at 23.7,13.95 h3.2
  text "QA-TEST / PwrRegs / EEProm / WatchDog / IO2Tgt / Emulator / Recorder" at 39.521,13.8 h1.55
  text "Pwr by" at 16.933,11.3 h1 r270
  text "EXT  BB" at 15.2,10.9 h1 r270
  text "GND" at 22,10.3 h1 r270
  text "CAP" at 24.8,10.3 h1 r270
  text "5V" at 26.9,10.3 h1 r270
  text "GND" at 19.8,6.3 h1 r270
  text "3V3" at 22.4,6.3 h1 r270
  text "5VE" at 24.8,6.3 h1 r270
  text "5V" at 27.4,6.3 h1 r270
  text "5VE" at 12.4,5.7 h1 r270
  text "GND" at 12.4,2.1 h1 r270
Mechanical 13:
  lines w0.1: -0.15,0 0.15,0 ; 0,-0.15 0,0.15 ; 11.026,0 11.326,0 ; 11.026,54.61 11.326,54.61 ; 11.176,-0.15 11.176,0.15 ; 11.176,54.46 11.176,54.76 ; 20.805,19.685 21.105,19.685 ; 20.805,40.005 21.105,40.005 ; 20.955,19.535 20.955,19.835 ; 20.955,39.855 20.955,40.155 ; 86.21,0 86.51,0 ; 86.21,54.61 86.51,54.61 ; 86.36,-0.15 86.36,0.15 ; 86.36,54.46 86.36,54.76
  text "14.605mm" at 4.85,52.35 h0.8
  text "51.435mm" at 4.85,51.15 h0.8
  text "80.645mm" at 86.55,48.75 h0.8
  text "48.26mm" at 86.55,47.65 h0.8
  text "mod .2" at 86.65,46.55 h0.8
  text "80.645mm" at 86.75,6.95 h0.8
  text "6.35mm" at 87.55,5.85 h0.8
  text "14.605" at 3.45,5.55 h0.8
  text "mod .2" at 86.75,4.75 h0.8
  text "3.175" at 4.15,4.35 h0.8
  text "(removed)" at 2.75,3.25 h0.8
Assembly Notes:
  text "(67.8,44)" at 58.2,44.033 h1
  text "(32,8)" at 31,4.933 h1
  text "(71.2,8)" at 67.6,4.933 h1
  text "(0,0)" at 0.6,0.833 h1

## Text inside footprints (layer, text, board x,y; h text height)
D1: Assembly Notes "C" at 24.75,33.35 h0.8 r90
D2: Assembly Notes "C" at 13.7,46.25 h0.5
D3: Assembly Notes "C" at 76.2,45.15 h0.5
D4: Assembly Notes "C" at 76.9,8.25 h0.5
D5: Assembly Notes "C" at 45.4,46.55 h0.5
D6: Assembly Notes "C" at 60.7,46.55 h0.5
D7: Assembly Notes "C" at 48.5,46.55 h0.5
D8: Assembly Notes "C" at 63.8,46.55 h0.5
D9: Assembly Notes "C" at 25.95,22.1 h0.5 r270
D10: Assembly Notes "C" at 21.3,9.75 h0.5
D11: Assembly Notes "C" at 50.65,14.1 h0.5 r90
D12: Assembly Notes "C" at 56.25,12.4 h0.5 r270
D13: Assembly Notes "C" at 28,19.95 h0.5
D14: Assembly Notes "C" at 23,16.75 h0.5 r180
D15: Assembly Notes "C" at 21.3,11.15 h0.5
D16: Assembly Notes "C" at 78.1,51.85 h0.5
D17: Assembly Notes "C" at 78.1,1.85 h0.5
U18: Top Overlay "ABC" at 24.7,22.65 h0.7 r180
U20: Top Overlay "ABC" at 52.45,12.4 h0.7 r270